# KiCad board coconut42.kicad_pcb (continued)
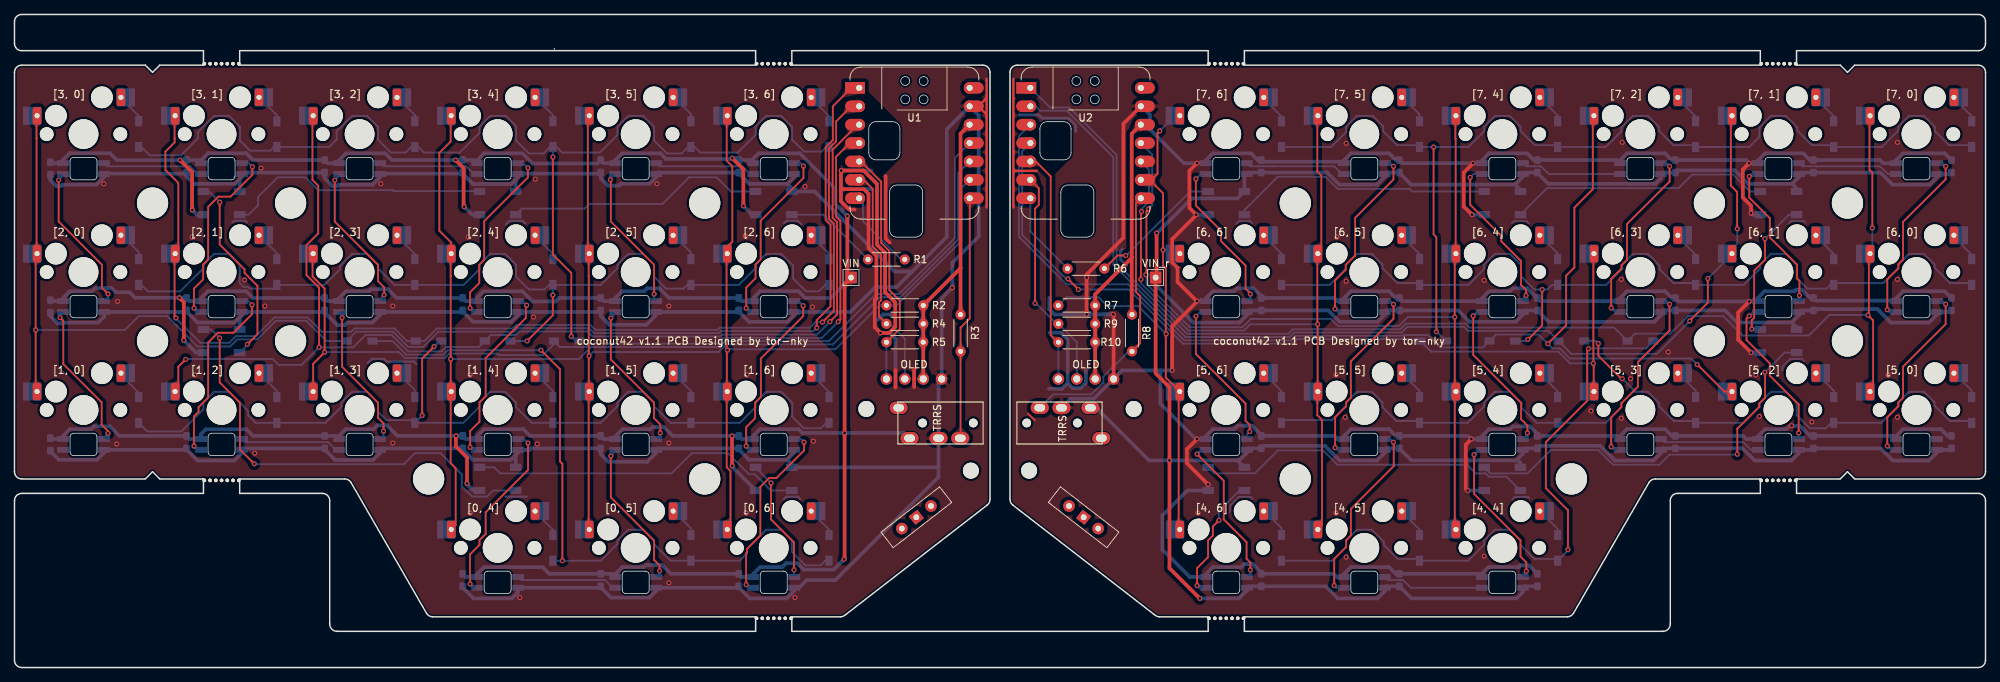
[diagram p0: board, top side]
## Nets (continued)
Net-(LED10-DIN): LED9.2 LED10.4
Net-(LED10-DOUT): LED10.2 LED11.4
Net-(LED11-DOUT): LED11.2 LED12.4
Net-(LED12-DOUT): LED12.2 LED13.4
Net-(LED13-DOUT): LED13.2 LED14.4
Net-(LED14-DOUT): LED14.2 LED15.4
Net-(LED15-DOUT): LED15.2 LED16.4
Net-(LED16-DOUT): LED16.2 LED17.4
Net-(LED17-DOUT): LED17.2 LED18.4
Net-(LED18-DOUT): LED18.2 LED19.4
Net-(LED19-DOUT): LED19.2 LED20.4
Net-(LED20-DOUT): LED20.2 LED21.4
Net-(LED21-DOUT): LED21.2 LED22.4
Net-(LED22-DOUT): LED22.2 LED23.4
Net-(LED23-DOUT): LED23.2 LED24.4
Net-(LED24-DOUT): LED24.2 LED25.4
Net-(LED25-DOUT): LED25.2 LED26.4
Net-(LED26-DOUT): LED26.2 LED27.4
Net-(LED28-DOUT): LED28.2 LED29.4
Net-(LED29-DOUT): LED29.2 LED30.4
Net-(LED30-DOUT): LED30.2 LED31.4
Net-(LED31-DOUT): LED31.2 LED32.4
Net-(LED32-DOUT): LED32.2 LED33.4
Net-(LED33-DOUT): LED33.2 LED34.4
Net-(LED34-DOUT): LED34.2 LED35.4
Net-(LED35-DOUT): LED35.2 LED36.4
Net-(LED36-DOUT): LED36.2 LED37.4
Net-(LED37-DOUT): LED37.2 LED38.4
Net-(LED38-DOUT): LED38.2 LED39.4
Net-(LED39-DOUT): LED39.2 LED40.4
Net-(LED40-DOUT): LED40.2 LED41.4
Net-(LED41-DOUT): LED41.2 LED42.4
Net-(LED42-DOUT): LED42.2 LED43.4
Net-(LED43-DOUT): LED43.2 LED44.4
Net-(LED44-DOUT): LED44.2 LED45.4
Net-(LED45-DOUT): LED45.2 LED46.4
Net-(LED46-DOUT): LED46.2 LED47.4
Net-(LED47-DOUT): LED47.2 LED48.4
Net-(LED48-DOUT): LED48.2 LED49.4
Net-(LED49-DOUT): LED49.2 LED50.4
Net-(LED50-DOUT): LED50.2 LED51.4
Net-(LED51-DOUT): LED51.2 LED52.4
Net-(LED52-DOUT): LED52.2 LED53.4
Net-(LED53-DOUT): LED53.2 LED54.4
Net-(U1-PB08_A6_D6_TX): R1.1 U1.7
Net-(U2-PB08_A6_D6_TX): R6.1 U2.7

Pads without a net: J2 A; J4 A; LED27 2; LED54 2; PWR SW 1 2 3; PWR SW#2 1 2 3; U1 14; U2 14

## Via types
v1: diameter 0.7, hole 0.4, Top to Bottom, 213 vias

## Routing (per net, layer and track width the routed paths; a pad name or vN(x,y) marks a point on that pad's centre or on a via; arc(x,y) is an arc through that point)
3V3: length 44.2
  Top w0.508: R3.2 130.56,48.75 130.56,55.13 ; U1.12 130.56,73.73 130.56,55.13 ; J1.3 R5.1 R4.1 R2.2 130.52,55.13 130.56,55.13
3V3_r: length 45.7
  Top w0.508: 154.18,56.66 154.18,56.59 149.13,51.55 R7.2 R9.1 R10.1 J3.3 ; 154.18,56.66 154.18,73.73 U2.12 ; 154.18,56.66 154.18,48.78 R8.2
  Bottom w0.508: 154.18,48.78 R8.2
GND: length 705.3
  Top w0.34: 134.15,81.33 134.15,78.66 ; 134.15,78.66 133.01,77.52 134.15,76.38 ; 134.15,78.66 134.15,76.38 ; 134.15,76.38 134.15,63.55
  Top w0.508: v1(119.51,46.21) 118.72,47 118.72,50.79 118.94,51.01 118.94,56.84 117.86,57.93 117.86,65.42 117.2,66.07 114.05,66.07 ; v1(119.51,46.21) 120.7,46.21 121.54,47.06 121.54,50.43 120.14,51.83 120.14,57.29 119.02,58.42 119.02,66.8 117.17,68.65 v1(114.08,68.65) 114.05,68.61 114.05,66.07 ; v1(119.51,46.21) 119.51,46.26 119.45,46.32 ; 120.22,67.88 120.22,59.25 120.78,58.69 ; 114.05,66.07 114.05,64.4 115.18,63.26 115.95,63.26 ; 121.58,38.69 121.58,41.1 ; 124.15,38.75 124.15,41.24
  Bottom w0.305: 67.82,61.23 68.28,61.69 70.15,61.69 70.49,61.36 ; 106.2,61.36 106.54,61.7 108.12,61.7 108.59,61.23 ; 108.46,23.26 108.13,23.59 106.5,23.59 106.17,23.26 ; 55.47,41.93 55.13,42.26 51.37,42.26 50.99,42.64 49.34,42.64 48.76,42.05 ; 30.07,61.48 30.28,61.7 31.88,61.7 32.1,61.48 ; 67.78,23.6 70.71,23.6
  Bottom w0.508: C27.2 4.95,29.86 6.11,28.7 11.41,28.7 12.38,29.66 12.38,30.06 ; 127.51,27.7 127.51,26.31 113.28,12.08 109.35,12.08 108.28,11.01 107.63,11.01 107.63,10.61 106.55,9.54 101.47,9.54 99.95,11.06 C7.2 99.74,11.01 LED14.3 ; 127.51,27.7 J2.C 127.51,39.42 J1.4 ; 127.51,27.7 127.46,27.65 LED6.3 107.28,28.03 106.6,28.7 ; 106.66,66.8 107.28,66.18 LED1.3 110.41,65.75 121.48,54.69 123.89,54.69 ; 106.66,66.8 101.43,66.8 99.95,68.28 ; 106.66,66.8 107.61,67.74 LED10.3 ; LED17.3 80.69,49.11 C12.2 80.9,48.53 82.09,47.34 87.21,47.34 88.58,48.71 88.58,49.11 ; C25.2 4.95,67.33 5.76,66.52 6.43,66.52 6.6,66.69 11.3,66.69 12.41,67.8 12.41,68.13 12.5,68.22 23.6,68.22 C24.2 23.75,67.83 24.78,66.8 30.41,66.8 31.09,67.48 ; 69.13,29.31 69.51,29.69 LED16.3 71.06,30.06 71.27,30.27 C13.2 80.9,29.48 81.96,28.42 87.33,28.42 88.58,29.66 88.58,30.06 ; 69.13,29.31 68.51,28.7 65.49,28.7 65.13,28.71 63.26,28.71 61.85,30.11 C16.2 50.66,30.27 LED21.3 50.48,30.04 50.48,29.66 49.48,28.66 44.25,28.66 42.8,30.11 C21.2 31.61,30.27 LED22.3 31.43,30.04 31.43,29.66 30.35,28.59 25.26,28.59 23.75,30.1 23.75,30.11 ; 69.13,29.31 69.18,29.27 LED5.3 ; 69.15,67.39 68.55,66.79 63.27,66.79 61.85,68.21 C18.2 61.7,68.22 50.53,68.22 ; 69.15,67.39 69.51,67.74 LED18.3 ; 69.15,67.39 69.18,67.37 LED2.3 ; 12.38,49.11 12.38,48.46 11.56,47.64 6.73,47.64 6.62,47.53 5.95,47.53 4.95,48.53 C26.2 ; 31.09,67.48 31.41,67.79 LED24.3 ; 31.09,67.48 31.08,67.46 LED3.3 30.94,65.75 ; 31.05,48.34 31.41,48.69 LED23.3 42.59,49.11 C20.2 42.8,49.04 44.55,47.29 45.57,47.29 45.92,47.64 49.4,47.64 50.46,48.69 LED20.3 61.64,49.11 C17.2 ; 31.05,48.34 30.35,47.64 27.33,47.64 27.32,47.65 25.26,47.65 23.75,49.16 C23.2 23.54,49.11 LED26.3 ; 31.05,48.34 31.08,48.32 LED4.3 ; LED15.3 80.69,11.01 C14.2 80.9,11.06 82.31,9.66 87.62,9.66 88.58,10.61 88.58,11.01 ; 42.79,68.36 31.63,68.36 31.43,68.16 ; 107.63,30.06 107.63,29.72 106.6,28.7 ; 106.6,28.7 101.37,28.7 99.95,30.11 C8.2 88.76,30.27 LED13.3 ; J1.4 127.95,51 v1(129.41,52.47) 129.41,55.9 133.06,59.55 133.06,76.27 U1.13 128.65,74.36 128.65,59.45 123.89,54.69 ; J1.4 128.3,40.21 ; 88.58,68.16 88.58,67.75 87.63,66.81 83.68,66.81 83.44,66.56 81.92,66.56 80.9,67.58 C11.2 80.75,68.22 69.58,68.22 69.53,68.16 ; 123.89,54.69 121.74,52.54 118.79,52.54 115.36,49.11 LED9.3 ; 69.53,49.11 69.53,48.71 68.56,47.75 63.27,47.75 61.85,49.16 C17.2 ; C22.2 23.54,30.06 LED27.3 ; C10.2 88.76,68.37 LED11.3 ; C17.2 61.57,49.04 ; 121.39,48.76 119.84,48.76 119.07,47.99 ; LED19.3 50.46,67.74 49.4,66.69 44.71,66.69 44.53,66.51 43.86,66.51 42.8,67.57 C19.2 ; 107.63,49.11 107.63,48.71 106.66,47.75 101.37,47.75 99.95,49.16 C9.2 99.74,49.11 LED12.3 ; 124.15,40.91 124.15,38.75 ; v1(119.51,46.21) 120.82,46.21 121.58,45.45 121.58,38.7 ; v1(114.08,68.65) 118.24,68.65 ; C15.2 61.85,11.06 63.37,9.54 68.64,9.54 69.48,10.37 69.48,11.07 ; 118.21,66.08 115.29,66.08
  vias: v1(12.32,66.82) v1(14.1,30.88) v1(14.22,50.56) v1(24.51,59.45) v1(24.89,40.4) v1(31.76,53.53) v1(33.15,29.61) v1(34.04,68.98) v1(34.54,49.93) v1(50.55,66.82) v1(52.2,49.93) v1(52.2,31) v1(62.61,59.45) v1(62.87,40.4) v1(62.87,21.35) v1(69.72,9.67) v1(71.63,48.4) v1(71.88,67.45) v1(72.14,30.88) v1(88.65,66.82) v1(90.3,49.93) v1(90.3,31) v1(90.3,11.7) v1(100.84,59.58) v1(100.97,21.35) v1(101.09,40.4) v1(107.7,9.67) v1(109.09,66.44) v1(110.11,49.8) v1(110.24,31.26)
GND_r: length 655.2
  Top w0.254: 139.89,35.07 140.81,34.15
  Top w0.34: 137.85,68.6 137.85,63.55 ; 137.85,68.6 137.85,81.33 ; 137.85,68.6 141.1,68.6
  Top w0.508: v1(201.3,69.66) 199.99,68.36 199.99,63.69 v1(201.13,62.55) 201.11,62.55 ; v1(239.39,50.56) 237.87,49.05 237.87,45.28 v1(239.65,43.5) ; v1(151.64,48.78) 151.67,48.75 J3.4 ; v1(163.2,69.66) 162.15,68.61 162.15,63.47 v1(163.07,62.55) 163.07,62.48 159.76,59.17 159.76,55.95 160.49,55.22 160.49,53.26 163.14,50.61 v1(163.2,50.61) 163.2,50.56 159.76,47.13 v1(159.76,41.04) ; J3.4 151.3,39.86 ; J3.4 151.64,39.89 ; v1(239.65,62.75) 239.65,63.78 238.51,64.92 238.51,68.77 v1(239.4,69.66) ; v1(200.53,24.45) 200.28,24.7 200.28,30.79 v1(201.05,31.56) 201.01,31.52 201.01,31.51 ; v1(164.73,25.29) 164.72,25.29 161.8,28.21 161.8,30.17 v1(163.2,31.56) ; v1(147.96,48.78) v1(147.96,53.86) 147.96,54.28 153.04,59.36 153.04,75.13 U2.13
  Bottom w0.254: 208.98,61.36 208.68,61.66 206.94,61.66 206.63,61.36 ; 170.82,61.36 170.51,61.66 168.95,61.66 168.59,61.3 ; 244.85,61.36 245.15,61.66 246.96,61.66 247.14,61.48 ; 167.77,21.48 167.77,22.37 168.95,23.56 170.58,23.56 170.88,23.26 ; 209.04,23.38 208.86,23.56 207.05,23.56 206.69,23.2 ; 243.97,41.04 243.97,41.54 245.04,42.61 246.71,42.61 247.02,42.31
  Bottom w0.381: 153.47,55.51 152.62,56.37 152.62,57.51 152.91,57.8 ; 138.68,76.34 138.7,76.33 141.36,76.33 141.81,75.88 145.43,75.88 146.43,74.88 146.43,74.06
  Bottom w0.508: 201.06,62.63 v1(201.13,62.55) LED29.3 ; 145.34,39.31 145.34,45.28 144.38,46.24 142.88,46.24 ; 145.34,39.31 146.05,38.6 147.11,38.6 147.85,39.34 147.85,41.14 ; 145.34,39.31 144.53,38.5 142.75,38.5 ; v1(163.2,50.61) 164.38,50.61 164.38,50.98 165.37,51.97 168.28,51.97 168.69,52.38 170.99,52.38 172.05,51.32 C36.2 182.14,51.04 182.57,50.61 183.43,50.61 183.43,50.98 184.42,51.97 189.69,51.97 190.62,51.04 C39.2 191.53,50.61 LED44.3 ; 259.63,31.58 259.63,31.93 260.62,32.92 265.86,32.92 266.79,31.99 C54.2 ; U2.13 155.54,77.52 156.68,76.38 156.68,74.34 161.37,69.66 v1(163.2,69.66) LED37.3 164.4,70.05 165.37,71.02 170.64,71.02 171.57,70.09 C37.2 172.28,69.87 183.24,69.87 183.43,69.68 183.43,70.03 184.42,71.02 189.69,71.02 190.62,70.09 C38.2 191.53,69.66 v1(201.3,69.66) 202.48,69.66 202.48,70.03 203.47,71.02 208.74,71.02 209.67,70.09 C45.2 221.12,70.09 221.53,69.68 221.53,70.03 222.52,71.02 227.79,71.02 228.72,70.09 C46.2 238.97,70.09 v1(239.4,69.66) 240.21,69.66 241.57,71.02 246.84,71.02 247.77,70.09 C51.2 257.46,70.09 257.89,69.66 LED52.3 259.65,70.05 260.62,71.02 266.37,71.02 C52.2 ; C53.2 266.37,51.97 260.62,51.97 259.63,50.98 259.63,50.63 259.57,50.69 248.61,50.69 C50.2 247.8,51.04 246.66,52.19 245.85,52.19 245.63,51.97 241.51,51.97 240.58,51.04 240.58,50.61 239.44,50.61 v1(239.39,50.56) 229.68,50.56 C47.2 228.72,51.04 227.79,51.97 222.52,51.97 221.53,50.98 221.53,50.61 210.58,50.61 C44.2 ; LED30.3 239.85,62.55 v1(239.65,62.75) ; LED54.3 259.22,31.99 C49.2 247.77,31.99 246.41,33.36 245.3,33.36 v1(245.24,33.42) 245.18,33.36 244.97,33.36 244.53,32.92 241.57,32.92 240.6,31.95 LED49.3 238.97,31.56 238.54,31.99 C48.2 228.72,31.99 227.79,32.92 222.52,32.92 221.53,31.93 221.53,31.58 221.12,31.99 C43.2 210.15,32.27 209.12,33.31 206.77,33.31 206.39,32.92 203.47,32.92 202.48,31.93 202.48,31.56 v1(201.05,31.56) 200.62,31.99 C40.2 190.62,31.99 189.69,32.92 184.42,32.92 183.43,31.93 183.43,31.56 182.57,31.56 182.14,31.99 C35.2 172.05,32.14 170.78,33.41 168.79,33.41 168.31,32.92 165.37,32.92 164.01,31.56 v1(163.2,31.56) 163.02,31.56 158.12,36.46 158.12,41.04 ; 202.48,50.98 203.47,51.97 206.39,51.97 206.8,52.38 208.75,52.38 210.08,51.04 ; 142.8,51.07 142.8,49.5 143.53,48.76 147.93,48.76 v1(147.96,48.78) v1(151.64,48.78) 150.24,48.78 150.22,48.76 ; v1(164.73,25.29) LED33.3 161.85,24.45 158.41,21.01 158.41,16.29 162.19,12.51 164.38,12.51 164.38,12.88 165.37,13.87 169.25,13.87 169.66,14.28 170.89,14.28 172.05,13.12 C34.2 182.02,12.94 182.45,12.51 183.43,12.51 183.43,12.88 184.42,13.87 189.69,13.87 190.62,12.94 C41.2 202.07,12.94 202.48,12.53 202.48,12.94 203.41,13.88 207.57,13.88 207.79,14.1 208.99,14.1 C42.2 ; 158.12,41.04 152.85,41.04 J3.4 148.95,37.13 145.74,37.13 J4.C ; 158.12,41.04 v1(159.76,41.04) ; v1(239.65,43.5) LED31.3 ; v1(163.07,62.55) LED28.3 ; v1(200.53,24.45) LED32.3
  vias: v1(163.32,21.35) v1(182.37,40.4) v1(182.37,21.35) v1(182.5,59.45) v1(183.64,34.56) v1(183.77,72.41) v1(183.77,53.36) v1(183.77,15.26) v1(202.82,53.48) v1(202.82,15.38) v1(217.55,35.45) v1(221.74,53.61) v1(221.74,34.43) v1(221.87,72.53) v1(223.01,39.89) v1(228.22,43.58) v1(240.28,40.4) v1(240.79,34.69) v1(248.03,33.92) v1(258.57,40.4) v1(259.84,72.53) v1(259.84,53.61) v1(259.84,34.56)
VIN: length 533.3
  Top w0.508: v1(99.06,70.34) 100.58,68.82 v1(100.58,63.77) ; v1(22.77,51.07) 23.37,50.47 23.37,45.23 v1(23.35,45.21) ; v1(24.56,63.18) 24.51,63.23 24.51,68.43 v1(22.86,70.08) ; v1(60.96,31.99) 60.92,31.95 60.92,30.54 62.45,29.01 v1(62.45,25.42) ; v1(99.04,27.86) 99.03,27.88 99.03,31.99 v1(99.03,31.99) ; v1(114.47,14.95) 114.55,15.04 v1(114.55,32.4) 114.55,52.97 TP1.1 114.94,54.37 v1(114.94,62.37) ; v1(62.07,63.64) 61.98,63.74 61.98,68.98 v1(60.87,70.09)
  Bottom w0.508: v1(24.56,63.18) 25.19,62.55 LED3.1 ; 99.09,31.99 v1(99.03,31.99) ; v1(99.03,31.99) 90.83,31.99 89.62,33.2 88.03,33.2 87.76,32.93 83.9,32.93 82.88,31.91 82.88,31.56 81.33,31.56 C13.1 71.15,31.99 70.22,32.92 64.79,32.92 63.83,31.96 63.83,31.56 62.28,31.56 C16.1 v1(60.96,31.99) 52.86,31.99 51.39,33.46 50.09,33.46 49.54,32.92 45.69,32.92 44.78,32 44.78,31.56 44.35,31.99 C21.1 32.92,31.99 32,32.92 26.42,32.92 25.73,32.22 25.73,31.56 24.18,31.56 C22.1 14.47,31.99 13.13,33.33 10.96,33.33 10.56,32.92 7.64,32.92 6.68,31.96 6.68,31.56 5.07,31.56 C27.1 ; v1(99.03,31.99) C8.1 100.38,31.56 101.93,31.56 101.93,31.96 102.88,32.92 108.18,32.92 108.19,32.92 108.71,32.4 v1(114.55,32.4) 122.79,32.4 J2.D ; v1(100.58,63.77) 101.8,62.55 LED1.1 ; C14.1 82.47,12.94 LED14.1 82.9,12.89 83.88,13.87 86.84,13.87 87.13,14.15 89.37,14.15 90.58,12.94 C7.1 100.38,12.51 101.93,12.51 101.93,12.91 102.88,13.87 105.94,13.87 106.48,14.41 108.04,14.41 108.91,13.53 113.05,13.53 v1(114.47,14.95) ; 64.18,24.49 63.25,24.49 62.45,25.29 v1(62.45,25.42) ; v1(22.77,51.07) 23.72,51.07 C23.1 24.18,50.61 25.73,50.61 25.73,51.01 26.69,51.97 31.99,51.97 32.92,51.04 C20.1 43.23,50.61 44.78,50.61 44.78,51.01 45.74,51.97 48.91,51.97 49.2,52.26 51.51,52.26 52.73,51.04 C17.1 62.28,50.61 63.83,50.61 63.83,51.09 64.7,51.97 70.07,51.97 70.08,51.97 71.5,50.56 74.68,50.56 75.16,51.04 C12.1 81.33,50.61 82.88,50.61 82.88,51.01 83.84,51.97 86.88,51.97 87.29,52.38 88.99,52.38 90.32,51.04 C9.1 100.38,50.61 101.93,50.61 101.93,51.01 102.89,51.97 108.19,51.97 109.12,51.04 112.62,51.04 114.94,53.36 ; v1(22.77,51.07) 16.64,51.07 15.88,51.83 13.97,51.83 13.39,52.41 11.12,52.41 10.68,51.97 7.64,51.97 6.68,51.01 6.68,50.61 5.07,50.61 C26.1 ; v1(22.77,51.07) 22.79,51.04 ; v1(99.04,27.86) 99.04,27.72 102.28,24.49 ; v1(22.86,70.08) 23.73,70.08 ; v1(22.86,70.08) 14.14,70.08 13.18,71.04 7.6,71.04 6.68,70.11 6.68,69.66 5.07,69.66 C25.1 ; v1(22.86,70.08) 22.82,70.12 ; v1(114.94,62.37) 113.28,64.02 113.28,66.11 108.37,71.02 102.68,71.02 101.93,70.27 101.93,69.66 101.5,70.09 C10.1 99.7,70.34 v1(99.06,70.34) 98.96,70.25 89.92,70.25 89.14,71.02 83.84,71.02 82.88,70.06 82.88,69.66 81.33,69.66 C11.1 80.43,69.62 71.49,69.62 70.09,71.02 64.81,71.02 63.83,70.04 63.83,69.66 63.4,70.09 C18.1 v1(60.87,70.09) 52.1,70.09 51.17,71.02 45.74,71.02 44.78,70.06 44.78,69.66 43.23,69.66 C19.1 32.92,70.09 31.97,71.04 26.7,71.04 25.73,70.06 25.73,69.66 25.3,70.09 C24.1 ; v1(23.35,45.21) 25.06,43.5 LED4.1 ; C15.1 62.28,12.51 63.83,12.51 63.83,12.91 64.78,13.87 72.86,13.87 73.78,12.94 80.9,12.94 ; LED2.1 63.16,62.55 v1(62.07,63.64)
VIN_r: length 486.4
  Top w0.508: v1(157.61,60) 157.61,53.99 TP2.1 157.48,40.63 159.39,38.72 v1(159.39,28.6) 159.39,13.73 v1(163.58,9.54) ; 148.46,35.9 J4.D
  Bottom w0.508: 245.25,47.65 246.28,48.68 246.28,49.11 246.48,49.32 C50.1 248.44,49.51 257.09,49.51 258.95,47.64 264.22,47.64 265.33,48.74 265.33,49.11 267.1,49.11 C53.1 ; 245.25,47.65 245.93,46.98 LED31.1 ; 245.25,47.65 237.73,47.65 236.07,49.32 C47.1 227.43,49.32 227.23,49.11 227.23,48.68 226.29,47.75 211.73,47.75 210.16,49.32 C44.1 208.38,49.32 208.18,49.11 208.18,48.77 207.16,47.76 200.8,47.76 199.24,49.32 C39.1 189.33,49.32 189.13,49.11 189.13,48.77 188.11,47.76 182.87,47.76 181.31,49.32 C36.1 170.28,49.32 170.08,49.11 170.08,48.68 169.04,47.64 162.69,47.64 157.48,52.85 TP2.1 ; 168.77,28.6 169.02,28.6 170.08,29.66 170.08,30.06 170.28,30.27 C35.1 172.41,30.62 180.85,30.62 182.88,28.59 188.03,28.59 189.13,29.68 189.13,30.06 189.33,30.27 C40.1 192.76,28.6 207.24,28.6 207.34,28.7 ; 168.77,28.6 LED33.1 ; 168.77,28.6 v1(159.39,28.6) 156.58,28.6 149.3,35.88 J4.D ; 207.34,28.7 207.83,28.22 LED32.1 ; 207.34,28.7 208.18,29.54 208.18,30.06 208.38,30.27 C43.1 210.51,30.62 218.82,30.62 220.85,28.59 226.19,28.59 227.23,29.63 227.23,30.06 227.43,30.27 C48.1 238.48,30.27 240.16,28.59 245.24,28.59 246.28,29.63 246.28,30.06 248.05,30.06 C49.1 257.53,30.27 259.21,28.59 264.2,28.59 265.33,29.72 265.33,30.06 267.1,30.06 C54.1 ; v1(163.58,9.54) 168.97,9.54 170.08,10.64 170.08,11.01 170.28,11.22 C34.1 180.95,11.22 182.63,9.54 188.09,9.54 189.13,10.58 189.13,11.01 189.33,11.22 C41.1 191.11,11.22 192.79,9.54 207.26,9.54 208.18,10.45 208.18,11.01 208.38,11.22 C42.1 ; C38.1 189.33,68.37 189.13,68.16 189.13,67.79 188.02,66.69 182.83,66.69 181.16,68.37 C37.1 170.26,68.37 LED37.1 169.73,67.83 LED28.1 168.77,64.8 162.44,64.8 157.65,60 v1(157.61,60) ; 207.09,66.7 192.74,66.7 191.1,68.34 ; 207.09,66.7 207.83,65.97 LED29.1 ; 207.09,66.7 208.16,67.77 LED45.1 ; 245.31,66.8 246.27,67.76 246.27,68.16 246.47,68.37 C51.1 257.5,68.37 259.17,66.69 264.29,66.69 265.33,67.73 265.33,68.16 267.1,68.16 C52.1 ; 245.31,66.8 239.28,66.8 237.41,68.67 229.5,68.67 C46.1 227.43,68.37 227.23,68.16 227.23,67.6 226.42,66.8 223.19,66.8 222.83,66.81 211.68,66.81 210.15,68.34 C45.1 208.38,68.37 208.18,68.16 ; 245.31,66.8 245.93,66.18 LED30.1
data: length 33.8
  Top w0.254: U1.8 131.69,64.7 131.83,64.56 131.83,48.21 130.56,46.95 R3.1 130.56,31.72 J2.B
data_r: length 38.6
  Top w0.254: U2.8 154.76,64.15 154.76,51.89 155.34,51.3 155.34,44.79 R8.1
  Bottom w0.254: R8.1 153.76,43.67 150.26,40.17 150.26,39.39 148.61,37.73 143.34,37.73 J4.B
LED: length 13.1
  Bottom w0.254: R1.2 111.6,62.55 LED1.4
LED_r: length 18.7
  Top w0.254: R6.2 152.22,56.91 v1(153.36,56.91)
  Bottom w0.254: v1(153.36,56.91) 153.42,56.91 162.26,65.75 LED28.4
P2: length 105.7
  Top w0.254: SW18.1 98.37,58.12 99.06,58.82 99.06,69.23 98.29,70 98.29,76.14 SW6.1 ; SW39.1 98.81,19.51 98.81,27.14 98.29,27.66 98.29,38.04 SW30.1 98.3,38.18 98.3,43.76 v1(98.39,43.85) 98.26,43.98 98.26,57.06
  Bottom w0.254: v1(98.39,43.85) 98.49,43.96 113.28,43.96 119.34,50.02 R2.1 121.76,50.02 130.68,58.94 130.68,66.23 U1.9
P2_r: length 84
  Top w0.254: SW7.1 160.82,75.36 ; SW40.1 160.66,19.23 160.66,37.96 SW31.1 158.88,40.05 158.88,46.02 v1(158.94,46.08) 158.88,46.14 158.88,55.13 158.5,55.51 v1(158.5,57.67) 158.5,65.51 156.65,67.36 U2.9 156.88,67.36 157.73,68.21 157.73,73.81 v1(158.05,74.12)
  Bottom w0.254: v1(158.5,57.67) 159.63,57.67 SW19.1 ; R7.1 145.18,51.14 149.6,51.14 150.82,49.93 155.07,49.93 158.91,46.08 v1(158.94,46.08) ; 160.14,38.84 SW31.1 ; v1(158.05,74.12) SW7.1
P3: length 150.8
  Top w0.254: SW37.1 60.89,19.69 60.89,27.52 60.2,28.21 60.2,34.98 60.19,34.99 60.19,38.04 SW28.1 60.2,38.18 v1(60.2,42.61) 60.2,54.03 60.19,54.04 60.19,57.09 SW16.1 60.27,58.71 58.63,60.34 58.63,71.09 60.19,72.65 60.19,76.14 SW4.1
  Bottom w0.254: U1.11 129.78,70.41 129.78,59.32 122.05,51.6 118.89,51.6 112.38,45.08 98.02,45.08 97.21,44.27 79.57,44.27 77.91,42.61 v1(60.2,42.61) ; 59.59,39.15 SW28.1 ; 59.46,57.04 SW16.1
P3_r: length 126.4
  Top w0.254: SW42.1 198.76,19.23 198.76,37.96 SW33.1 198.76,38.28 198.76,57.01 SW21.1 198.88,57.2 198.88,73.05 198.84,73.09 198.84,76.14 SW9.1 ; v1(156.13,54.24) 156.21,54.32 156.21,63.05 v1(156.51,63.35)
  Bottom w0.254: SW42.1 198.24,20.34 ; U2.11 157.01,70.86 157.01,63.85 v1(156.51,63.35) ; 198.24,38.84 SW33.1 ; v1(198.76,48.4) 192.28,48.4 191.05,47.18 182.63,47.18 181.65,48.15 170.61,48.15 170.61,48.13 169.48,47.01 162.18,47.01 156.22,52.96 156.22,54.15 v1(156.13,54.24)
P4: length 126.5
  Top w0.254: SW5.1 79.12,76.02 79.12,57.36 SW17.1 79.24,57.09 79.24,54.04 79.25,54.03 79.25,43.07 v1(79.29,43.03) 79.25,42.99 79.25,38.18 SW29.1 79.24,38.04 79.24,19.14 SW38.1
  Bottom w0.254: v1(79.29,43.03) 79.83,43.58 97.16,43.58 98.21,44.63 112.94,44.63 119.45,51.14 122.24,51.14 130.23,59.13 130.23,68.32 U1.10
P4_r: length 106
  Top w0.254: v1(155.45,53.61) 155.45,62.91 v1(155.53,62.99) ; SW41.1 180.43,19.63 180.43,34.21 179.79,34.86 179.79,38.04 SW32.1 179.83,38.15 v1(179.83,47.41) 179.79,47.45 179.79,57.09 SW20.1 180.34,57.64 180.34,67.96 179.79,68.51 179.79,76.14 SW8.1
  Bottom w0.254: v1(179.83,47.41) 170.52,47.41 169.67,46.55 161.99,46.55 155.45,53.09 v1(155.45,53.61) ; 179.19,37.2 SW32.1 ; U2.10 156.56,68.77 156.56,64.35 155.53,63.33 v1(155.53,62.99) ; 178.53,75.55 SW8.1 ; 179.19,56.44 SW20.1
P26: length 192.4
  Top w0.254: SW1.1 3.04,76.14 3.04,73.09 3.05,73.08 3.05,57.23 SW13.1 2.92,56.97 v1(2.92,46.62) 2.92,38.31 SW25.1 ; v1(110.71,46.91) 110.71,47.99 112.61,49.89 112.61,61.13 111.94,61.8 111.94,71.86 112.93,72.85 112.93,77.51 115.48,80.06 U1.1
  Bottom w0.254: v1(110.71,46.91) 110.27,46.47 97.48,46.47 97.2,46.19 79.95,46.19 79.27,46.87 69.46,46.87 68.98,46.38 58.49,46.38 56.38,44.27 54.35,44.27 52.24,46.38 47.13,46.38 D46.2 43.05,45.1 40.26,47.89 36.07,47.89 33.5,45.33 30.74,45.33 29.76,44.34 25.26,44.34 21.6,47.99 21.6,48.01 21.08,48.53 17.15,48.53 15.24,46.62 v1(2.92,46.62) ; 1.52,56.25 SW13.1
P26_r: length 183.9
  Top w0.254: SW12.1 255.99,76.14 255.99,68.73 256.38,68.34 v1(256.38,60.72) ; SW36.1 256.49,38.54 256.49,47.94 v1(255.78,48.66) 255.91,48.78 255.91,57.01 SW24.1
  Bottom w0.254: v1(255.78,48.66) 255.73,48.7 250.45,48.7 247.61,45.86 238.47,45.86 235.81,48.53 230.9,48.53 228.49,46.12 223.62,46.12 D50.2 220.75,46.95 200.78,46.95 200.23,47.5 192.02,47.5 191.24,46.72 176.41,46.72 175.78,46.1 161.8,46.1 154.99,52.91 154.99,52.92 152.09,55.82 152.09,70.81 145.54,77.36 142.89,77.36 U2.1 ; v1(256.38,60.72) 256.38,58.15 SW24.1 255.39,56.35
P27: length 159.1
  Top w0.254: v1(111.51,47.71) 113.07,49.27 113.07,61.32 112.4,61.99 112.4,71.68 113.39,72.67 113.39,75.43 115.48,77.52 U1.2 ; v1(22.28,48.28) 22.09,48.46 22.09,57.09 SW14.1 22.61,57.61 22.61,66.94 20.83,68.72 20.83,71.26 22.1,72.53 22.1,73.08 22.09,73.09 22.09,76.14 SW2.1
  Bottom w0.254: v1(22.28,48.28) 22.28,48.22 25.65,44.85 29.62,44.85 30.56,45.78 33.31,45.78 35.88,48.35 40.45,48.35 42.43,46.37 46.48,46.37 46.94,46.84 52.43,46.84 54.16,45.1 D45.2 56.57,45.1 58.3,46.84 68.79,46.84 69.28,47.32 79.46,47.32 80.14,46.64 97.01,46.64 97.29,46.93 109.77,46.93 110.55,47.71 v1(111.51,47.71) ; 21.49,56.18 SW14.1
P27_r: length 148.4
  Top w0.254: v1(233.68,53.74) 233.68,50.4 231.18,47.9 v1(231.18,47.85) ; v1(237.74,60.59) 237.72,60.62 237.72,65.7 236.86,66.56 236.86,76.06 SW11.1
  Bottom w0.254: v1(233.68,53.74) 236.34,56.4 SW23.1 237.74,58.57 v1(237.74,60.59) ; U2.2 140.94,77.52 141.55,76.9 145.23,76.9 151.64,70.5 151.64,55.62 161.61,45.64 175.97,45.64 176.6,46.27 191.43,46.27 192.21,47.05 200.04,47.05 200.59,46.5 211.68,46.5 D49.2 214.85,43.32 226.66,43.32 231.18,47.84 v1(231.18,47.85)
P28: length 163.5
  Top w0.254: SW3.1 41.11,76.11 41.11,67.36 41.91,66.56 41.91,59.96 40.29,58.34 40.29,54.21 42.04,52.46 v1(42.04,44.21) ; 115.61,74.98 U1.3 116.37,74.98 112.9,71.52 112.9,62.12 113.52,61.51 113.52,48.76 v1(112.52,47.77) ; SW26.1 22.61,38.56 22.61,41.54 v1(23.62,42.56)
  Bottom w0.254: v1(112.52,47.77) 110.74,45.99 97.64,45.99 97.39,45.74 79.76,45.74 79.09,46.41 69.65,46.41 69.17,45.93 65.73,45.93 D44.2 64.07,44.27 59.56,44.27 58.95,43.66 54.32,43.66 52.05,45.93 48.45,45.93 46.74,44.21 v1(42.04,44.21) 42.02,44.21 39.61,41.8 36.45,41.8 35.64,42.61 23.67,42.61 v1(23.62,42.56)
P28_r: length 161
  Top w0.254: SW35.1 235.97,38.12 232.23,41.85 v1(232.2,41.85) ; v1(211.59,44.73) 214.12,47.26 214.12,54.12 215.27,55.26 215.27,63.52 217.81,66.06 217.81,76.06 SW10.1
  Bottom w0.254: v1(232.2,41.85) 231.36,42.69 214.63,42.69 213.23,44.08 212.24,44.08 v1(211.59,44.73) 210.33,45.99 204.44,45.99 D48.2 202.66,44.21 196.77,44.21 195.05,45.93 191.73,45.93 191.62,45.81 176.79,45.81 176.16,45.19 161.43,45.19 153.68,52.93 145.17,52.93 138.61,59.49 138.61,73.4 U2.3 ; 216.31,75.24 SW10.1
P29: length 124.5
  Top w0.254: v1(113.67,47.77) 113.97,48.08 113.97,61.7 113.37,62.3 113.37,70.54 115.27,72.44 U1.4 115.44,72.44 ; SW15.1 41.14,57.09 41.14,54 42.8,52.34 v1(42.8,43.53) 41.22,41.95 SW27.1
  Bottom w0.254: 42.76,43.53 v1(42.8,43.53) 42.84,43.58 53.04,43.58 53.87,42.75 59.38,42.75 59.99,43.37 66.63,43.37 66.84,43.15 72.92,43.15 74.43,44.65 D43.2 75.25,44.27 78.93,44.27 79.38,44.73 97.02,44.73 97.83,45.54 111.43,45.54 v1(113.67,47.77) ; 39.58,56.21 SW15.1
P29_r: length 119
  Top w0.254: SW22.1 217.89,57.09 v1(217.89,42.01) 217.93,41.97 217.93,38.15 SW34.1 ; v1(146.81,52.21) 146.81,52.25 v1(145.37,53.69)
  Bottom w0.254: v1(217.89,42.01) 214.66,42.01 213.04,43.63 195.5,43.63 D47.2 193.76,45.36 176.97,45.36 176.35,44.74 161.24,44.74 153.76,52.21 v1(146.81,52.21) ; v1(145.37,53.69) 145.29,53.61 145.22,53.61 139.06,59.76 139.06,71.31 U2.4
SCL: length 31
  Top w0.254: U1.6 117.19,67.36 118.44,66.11 118.44,58.17 119.56,57.04 119.56,50.7 119.3,50.44 119.3,48.5 R4.2
  Bottom w0.254: J1.2 122.87,45.42 120.81,47.48 R4.2
SCL_r: length 30.8
  Top w0.254: U2.6 141.35,66.2 141.35,63.9 140.84,63.39 v1(140.84,50.31)
  Bottom w0.254: v1(140.84,50.31) 140.96,50.31 143.79,47.48 R9.2 146.59,44.94 J3.2
SDA: length 33.3
  Top w0.254: U1.5 116.81,69.9 119.6,67.11 119.6,58.66 120.72,57.53 120.72,52.14 122.17,50.69 122.17,46.78 R5.2
  Bottom w0.254: R5.2 J1.1
SDA_r: length 32.1
  Top w0.254: R10.2 143.97,44.94 143,45.9 143,67.83 140.94,69.9 U2.5
  Bottom w0.254: R10.2 J3.1
Net-(D1-A): length 156
  Top w0.254: v1(74.3,70.5) 74.3,57.04 76.84,54.5 v1(76.84,45.74)
  Bottom w0.254: D4.2 74.8,71.9 75.57,71.14 80.77,71.14 83.22,73.58 83.22,74.71 84.69,76.18 86.76,76.18 88.27,74.68 88.27,72.79 90.04,71.01 92.08,71.01 92.97,71.9 D5.2 93.85,71.9 94.62,71.14 99.82,71.14 102.27,73.58 102.27,74.71 103.74,76.18 105.81,76.18 107.32,74.68 107.32,72.91 108.97,71.26 111.38,71.26 112.02,71.9 D6.2 ; D4.2 v1(74.3,70.5) ; D4.2 73.92,71.9 73.03,71.01 70.99,71.01 69.22,72.79 69.22,74.78 67.82,76.18 65.64,76.18 64.17,74.71 64.17,73.84 61.47,71.14 56.52,71.14 55.75,71.9 D3.2 54.74,71.9 53.98,71.14 51.94,71.14 50.17,72.91 50.17,74.68 48.66,76.18 46.59,76.18 44.45,74.05 44.45,72.91 43.44,71.9 D2.2 35.82,71.9 35.31,71.39 32.51,71.39 31.12,72.79 31.12,74.68 29.61,76.18 27.54,76.18 25.33,73.98 25.33,73.1 22.99,70.75 18.67,70.75 17.52,71.9 D1.2 ; v1(76.84,45.74) 77.47,45.1 D43.1
Net-(D1-K): length 4
  Bottom w0.254: SW1.2 15.37,77.96 17.15,76.18 D1.1
Net-(D2-K): length 4
  Bottom w0.254: D2.1 36.2,76.31 34.42,78.09 SW2.2
Net-(D3-K): length 4
  Bottom w0.254: SW3.2 53.47,78.09 55.25,76.31 D3.1
Net-(D4-K): length 4
  Bottom w0.254: SW4.2 72.52,78.09 74.3,76.31 D4.1
Net-(D5-K): length 4
  Bottom w0.254: SW5.2 91.57,78.21 93.35,76.44 D5.1
Net-(D6-K): length 4
  Bottom w0.254: D6.1 112.4,76.18 110.62,77.96 SW6.2
Net-(D7-K): length 4
  Bottom w0.254: D7.1 174.85,76.11 173.07,77.89 SW7.2
Net-(D8-K): length 4
  Bottom w0.254: D8.1 193.9,76.42 192.12,78.2 SW8.2
Net-(D9-K): length 4
  Bottom w0.254: D9.1 212.95,76.27 211.17,78.04 SW9.2
Net-(D10-A): length 144.4
  Top w0.254: v1(195.83,71.9) 195.83,59.83 196.22,59.45 v1(196.22,46.37)
  Bottom w0.254: v1(196.22,46.37) 196.31,46.37 D47.1 ; D7.2 181.71,71.9 183.77,73.96 183.77,74.71 185.24,76.18 187.45,76.18 188.89,74.74 188.89,74.06 190.8,72.15 193.64,72.15 D8.2 v1(195.83,71.9) 195.84,71.9 200.63,71.9 202.82,74.09 202.82,74.71 204.29,76.18 206.36,76.18 207.83,74.71 207.83,74.11 209.8,72.15 212.69,72.15 D9.2 219.59,71.9 221.74,74.06 221.74,74.59 223.34,76.18 225.42,76.18 226.94,74.67 226.94,74.13 228.92,72.15 231.74,72.15 D10.2 232,71.9 239.4,71.9 240.79,73.29 240.79,74.59 242.39,76.18 244.46,76.18 246.04,74.6 246.04,74.15 248.04,72.15 250.79,72.15 D11.2 257.7,71.9 259.97,74.17 259.97,74.71 261.44,76.18 263.51,76.18 265.02,74.68 265.02,74.08 266.95,72.15 269.84,72.15 D12.2
Net-(D10-K): length 4
  Bottom w0.254: D10.1 232,76.11 230.22,77.89 SW10.2
Net-(D11-K): length 4
  Bottom w0.254: D11.1 251.05,76.16 249.27,77.94 SW11.2
Net-(D12-K): length 4
  Bottom w0.254: D12.1 270.1,76.16 268.32,77.94 SW12.2
Net-(D13-A): length 133.6
  Top w0.254: v1(74.3,51.45) 74.3,48.66 v1(70.74,45.1)
  Bottom w0.254: D13.2 17.52,52.85 18.42,51.96 22.86,51.96 26.07,55.17 26.07,55.66 27.54,57.13 29.61,57.13 31.08,55.66 31.08,53.1 31.62,52.56 32.23,52.56 32.44,52.34 35.68,52.34 D14.2 36.2,52.85 42.76,52.85 44.92,55.01 44.92,55.46 46.59,57.13 48.66,57.13 50.17,55.63 50.17,55.13 52.45,52.85 D15.2 61.98,52.85 64.17,55.04 64.17,55.66 65.64,57.13 67.71,57.13 69.22,55.63 69.22,53.99 70.99,52.21 73.15,52.21 73.79,52.85 D16.2 ; v1(74.3,51.45) D16.2 ; D16.2 80.9,52.85 83.22,55.17 83.22,55.66 84.69,57.13 86.76,57.13 88.27,55.63 88.27,53.99 89.92,52.34 92.33,52.34 92.84,52.85 D17.2 93.35,52.85 99.95,52.85 102.27,55.17 102.27,55.66 103.74,57.13 105.81,57.13 107.44,55.5 107.44,53.74 109.22,51.96 111,51.96 111.89,52.85 D18.2 ; v1(70.74,45.1) D44.1
